# Allegro board FMDEMOD-57.brd (continued)
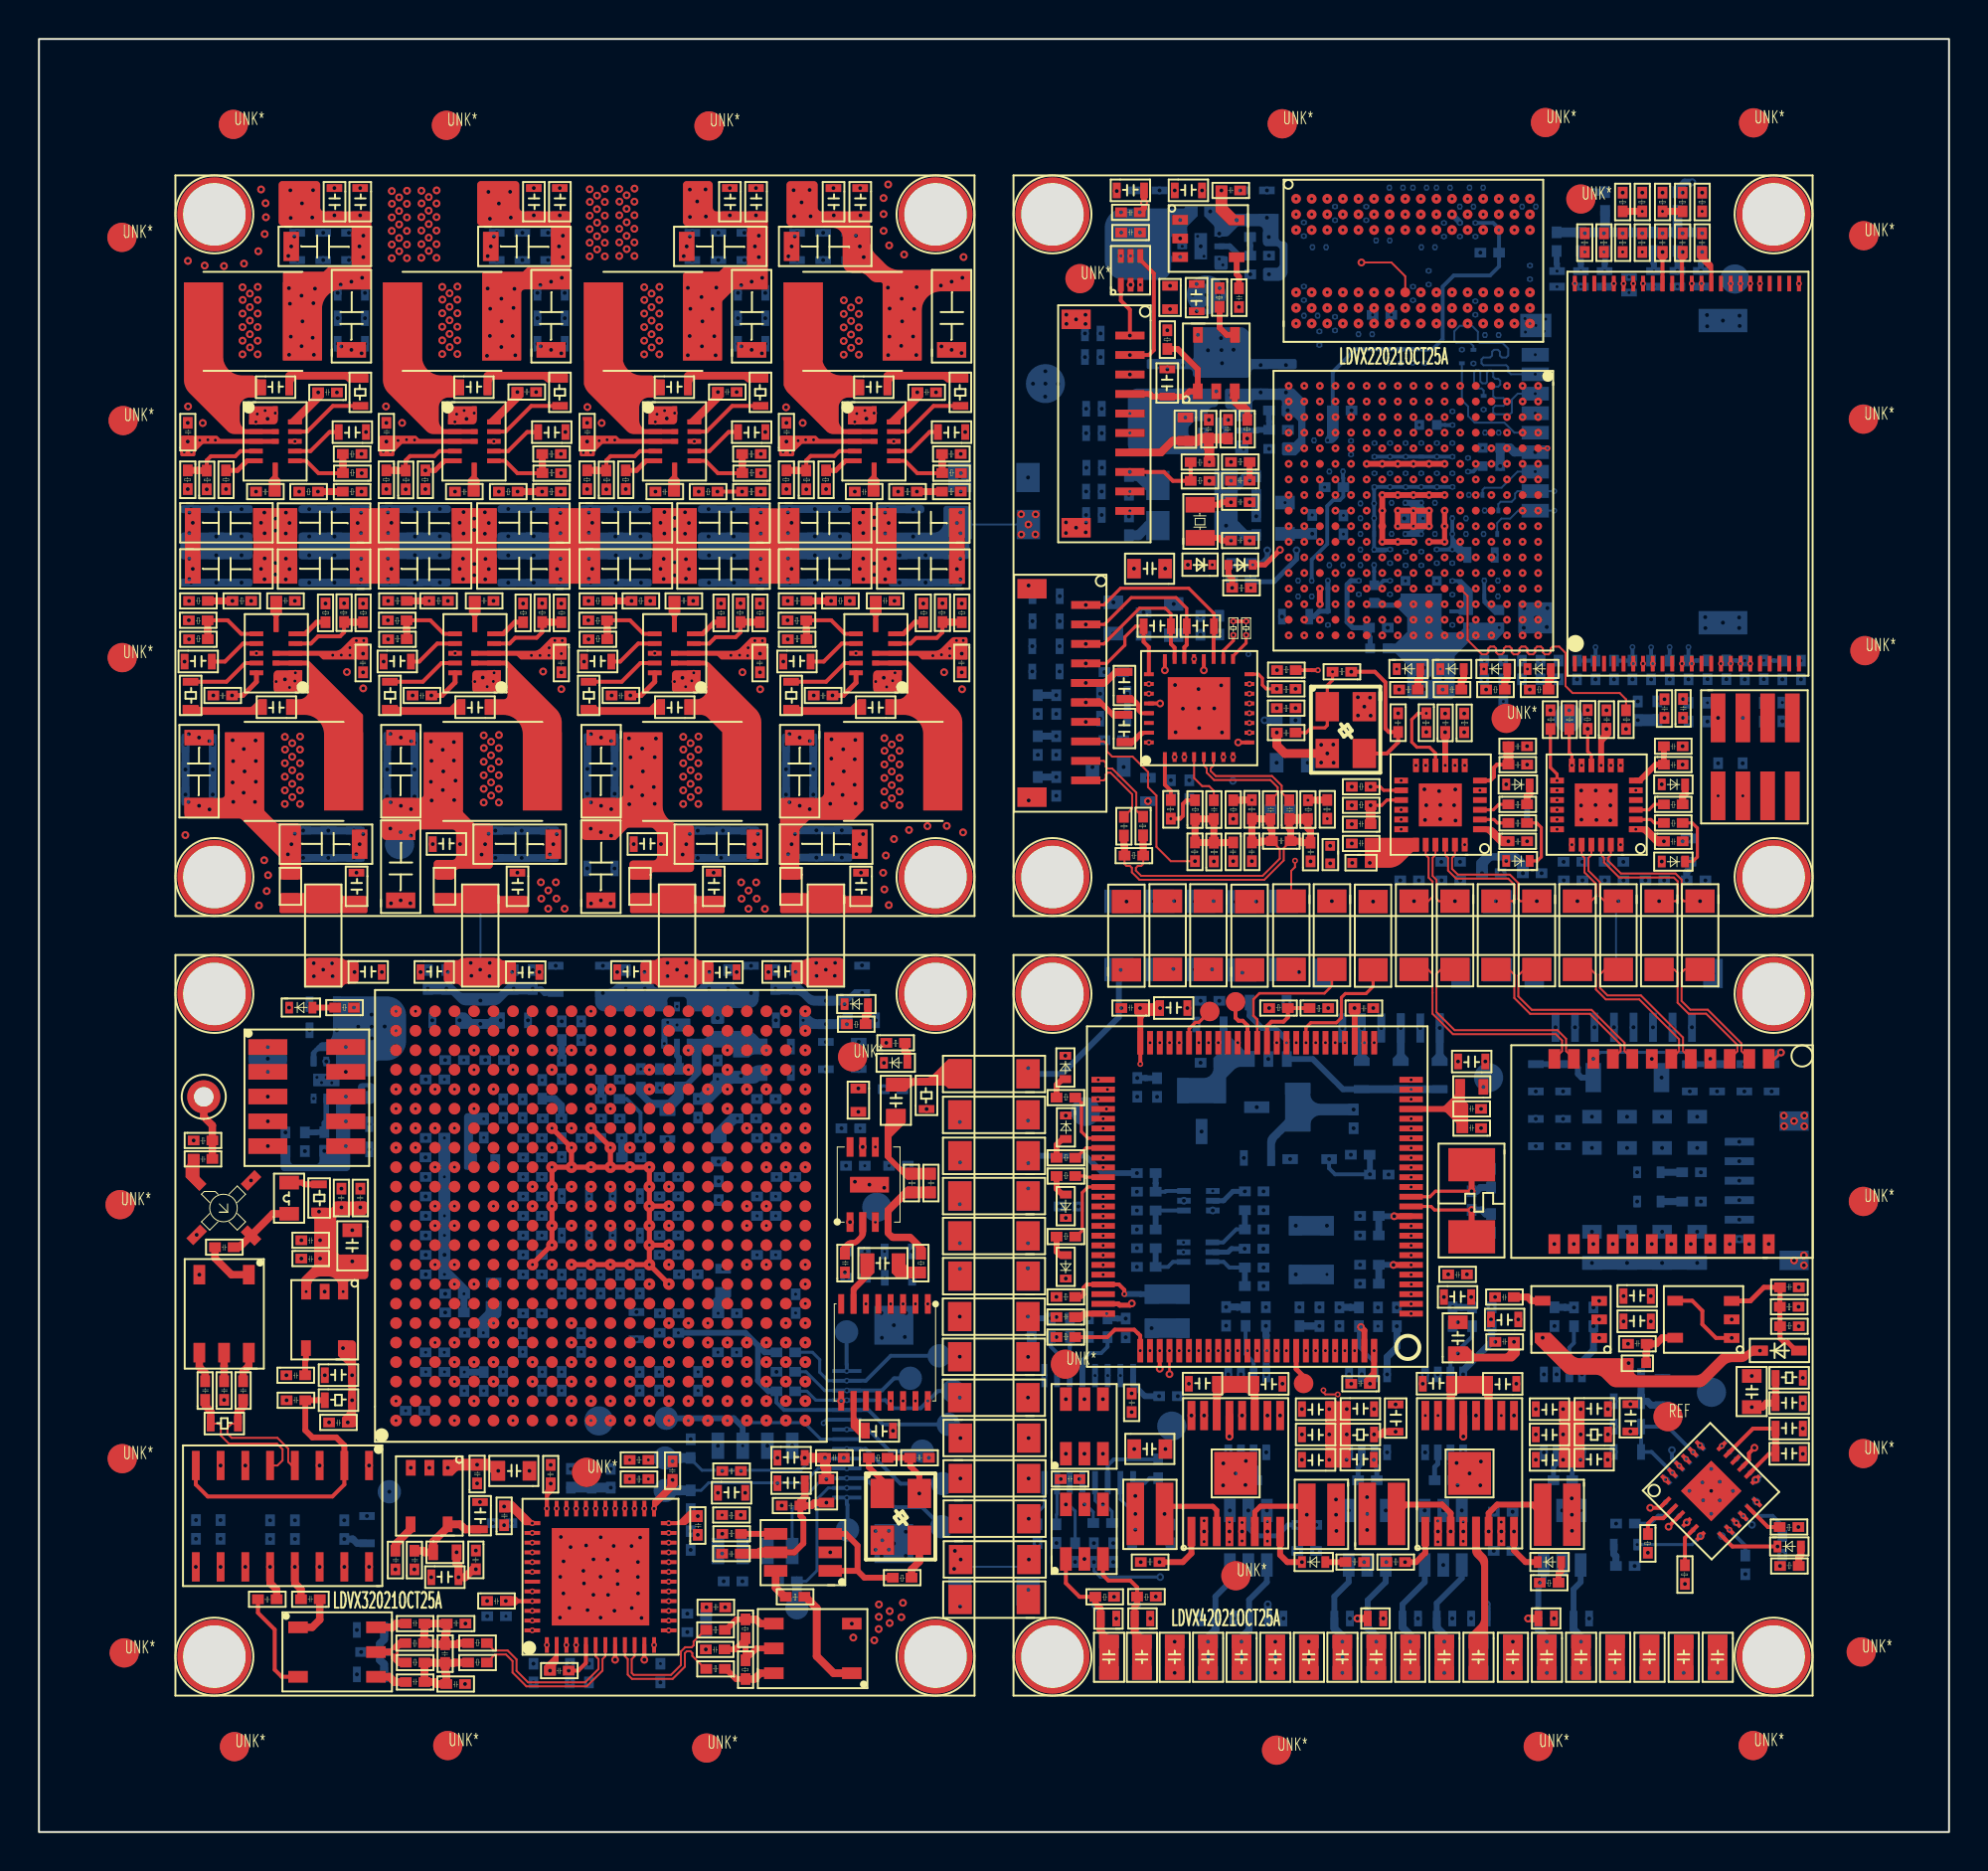
[diagram p0: board, top side]
## Placement (name value [footprint] x y rotation side) (continued)
NOREF#1669  -  []  75.66 24.85 90 top
NOREF#1670  -  []  58.63 69.72 0 top
NOREF#1671  -  []  67.52 70.01 90 top
NOREF#1672  -  []  26.29 41.13 0 top
NOREF#1673  -  []  19.55 8.84 90 top
NOREF#1674  -  []  29.34 37.26 90 top
NOREF#1675  -  []  15.23 79.38 0 top
NOREF#1676  -  []  98.7 36.9 90 top
NOREF#1677  -  []  57.48 75.15 0 top
NOREF#1678  -  []  15.23 78.57 90 top
NOREF#1679  -  []  17.98 60.98 90 top
NOREF#1680  -  []  15.57 64.77 90 top
NOREF#1681  -  []  106.8 77.3 90 top
NOREF#1682  -  []  68.52 63.89 90 top
NOREF#1683  -  []  59.77 83.83 90 top
NOREF#1684  -  []  37.7 8.15 0 top
NOREF#1685  -  []  17.77 54.11 0 top
NOREF#1686  -  []  62.44 49.35 90 top
NOREF#1687  -  []  57.67 17.06 0 top
NOREF#1688  -  []  84.01 9.97 90 top
NOREF#1689  -  []  90.6 19 90 top
NOREF#1690  -  []  51.66 57.33 0 top
NOREF#1691  -  []  72.52 65.5 90 top
NOREF#1692  -  []  39.21 27.77 90 top
NOREF#1693  -  []  31.29 23.15 0 top
NOREF#1694  -  []  39.99 68.44 0 top
NOREF#1695  -  []  63.08 39.66 0 top
NOREF#1696  -  []  90.74 26.56 90 top
NOREF#1697  -  []  29.65 52.8 90 top
NOREF#1698  -  []  86.3 44.7 90 top
NOREF#1699  -  []  24.38 30.44 0 top
NOREF#1700  -  []  70.59 84.57 90 top
NOREF#1701  -  []  70.8 30.22 90 top
NOREF#1702  -  []  64.5 77.4 0 top
NOREF#1703  -  []  67.36 9.66 0 top
NOREF#1704  -  []  82.9 22.61 0 top
NOREF#1705  -  []  79.01 24.85 0 top
NOREF#1706  -  []  13.47 64.77 0 top
NOREF#1707  -  []  20.97 15.79 90 top
NOREF#1708  -  []  59.45 73.92 0 top
NOREF#1709  -  []  83.9 20.4 90 top
NOREF#1710  -  []  13.84 20.98 0 top
NOREF#1711  -  []  25.43 35.56 0 top
NOREF#1712  -  []  42.03 74.54 0 top
NOREF#1713  -  []  67.07 11.26 0 top
NOREF#1714  -  []  73.7 24.05 0 top
NOREF#1715  -  []  15.28 71.42 0 top
NOREF#1716  -  []  57.7 38.23 90 top
NOREF#1717  -  []  25.43 61.62 90 top
NOREF#1718  -  []  51.8 56.91 0 top
NOREF#1719  -  []  17.76 12.38 0 top
NOREF#1720  -  []  27.73 68.44 90 top
NOREF#1721  -  []  20.3 24.08 90 top
NOREF#1722  -  []  27.68 18.81 90 top
NOREF#1723  -  []  24.98 64 0 top
NOREF#1724  -  []  54.5 61.29 90 top
NOREF#1725  -  []  67.3 77.44 90 top
NOREF#1726  -  []  70.31 83.68 0 top
NOREF#1727  -  []  10.43 61.04 90 top
NOREF#1728  -  []  69.73 7.97 90 top
NOREF#1729  -  []  74.78 24.85 0 top
NOREF#1730  -  []  71.13 74.76 90 top
NOREF#1731  -  []  73.44 58.23 90 top
NOREF#1732  -  []  36.29 9.87 90 top
NOREF#1733  -  []  29.5 68.43 90 top
NOREF#1734  -  []  71.49 69.39 0 top
NOREF#1735  -  []  65.91 59.92 0 top
NOREF#1736  -  []  64.44 49.88 90 top
NOREF#1737  -  []  42.87 41.06 90 top
NOREF#1738  -  []  74.18 13.26 0 top
NOREF#1739  -  []  53.87 13.43 0 top
NOREF#1740  -  []  34.21 37.8 90 top
NOREF#1741  -  []  53.55 15.33 90 top
NOREF#1742  -  []  11.24 66.39 90 top
NOREF#1743  -  []  39.29 57.93 0 top
NOREF#1744  -  []  77.52 74.79 90 top
NOREF#1745  -  []  58.89 21.19 90 top
NOREF#1746  -  []  57.44 15.33 90 top
NOREF#1747  -  []  39.76 68.43 90 top
NOREF#1748  -  []  61.36 9.97 90 top
NOREF#1749  -  []  54.28 7.97 90 top
NOREF#1750  -  []  19.56 46.29 0 top
NOREF#1751  -  []  51.67 61.24 90 top
NOREF#1752  -  []  20.47 22.32 90 top
NOREF#1753  -  []  66.14 70.58 90 top
NOREF#1754  -  []  60.7 69.72 0 top
NOREF#1755  -  []  37.36 76.77 0 top
NOREF#1756  -  []  16.31 80.56 90 top
NOREF#1757  -  []  16.24 59.04 0 top
NOREF#1758  -  []  72.75 75.75 0 top
NOREF#1759  -  []  51.66 60.13 0 top
NOREF#1760  -  []  33.05 18.73 90 top
NOREF#1761  -  []  46.41 64.01 0 top
NOREF#1762  -  []  20.88 68.39 0 top
NOREF#1763  -  []  74.93 54.38 0 top
NOREF#1764  -  []  71.48 7.97 90 top
NOREF#1765  -  []  55.98 64.19 0 top
NOREF#1766  -  []  55.99 20.28 0 top
NOREF#1767  -  []  85.7 32.25 0 top
NOREF#1768  -  []  40.65 78.96 90 top
NOREF#1769  -  []  8.2 59.07 90 top
NOREF#1770  -  []  16.21 31.08 0 top
NOREF#1771  -  []  28.99 24.17 90 top
NOREF#1772  -  []  39.35 29.4 90 top
NOREF#1773  -  []  9.11 61.78 90 top
NOREF#1774  -  []  61.69 79.53 90 top
NOREF#1775  -  []  51.75 34.05 0 top
NOREF#1776  -  []  60.18 13.72 90 top
NOREF#1777  -  []  70.55 15.1 90 top
NOREF#1778  -  []  70.27 77.41 0 top
NOREF#1779  -  []  73.39 65.91 90 top
NOREF#1780  -  []  53.63 69.08 0 top
NOREF#1781  -  []  72.29 63.31 0 top
NOREF#1782  -  []  53.54 56.55 90 top
NOREF#1783  -  []  59.65 35.94 0 top
NOREF#1784  -  []  57.95 52.5 90 top
NOREF#1785  -  []  78.52 58.68 90 top
NOREF#1786  -  []  0 0 0 top
NOREF#1787  -  []  73.81 75.75 90 top
NOREF#1788  -  []  57.11 15.46 90 top
NOREF#1789  -  []  75.5 77.01 90 top
NOREF#1790  -  []  39.99 68.44 90 top
NOREF#1791  -  []  85.7 38.71 0 top
NOREF#1792  -  []  84.79 51.39 90 top
NOREF#1793  -  []  55.96 7.97 90 top
NOREF#1794  -  []  69.06 65.49 90 top
NOREF#1795  -  []  63.9 24.21 0 top
NOREF#1796  -  []  63.28 28.76 90 top
NOREF#1797  -  []  67.82 34.12 90 top
NOREF#1798  -  []  89 23.71 0 top
NOREF#1799  -  []  64.06 7.97 90 top
NOREF#1800  -  []  33.39 53.08 0 top
NOREF#1801  -  []  38.97 77.27 90 top
NOREF#1802  -  []  27.73 72.76 0 top
NOREF#1803  -  []  64.5 77.4 90 top
NOREF#1804  -  []  21.22 16.24 0 top
NOREF#1805  -  []  18.89 67.97 0 top
NOREF#1806  -  []  44.23 31.72 0 top
NOREF#1807  -  []  21.73 16.2 0 top
NOREF#1808  -  []  73.58 48.8 90 top
NOREF#1809  -  []  71.75 81.08 0 top
NOREF#1810  -  []  35.75 76.2 90 top
NOREF#1811  -  []  89 19.81 0 top
NOREF#1812  -  []  31.21 29.06 0 top
NOREF#1813  -  []  13.39 14.95 0 top
NOREF#1814  -  []  70.8 28.72 90 top
NOREF#1815  -  []  46.02 76.2 90 top
NOREF#1816  -  []  66.87 22.61 90 top
NOREF#1817  -  []  21.84 7.53 90 top
NOREF#1818  -  []  42.54 82.85 90 top
NOREF#1819  -  []  37.82 70.24 0 top
NOREF#1820  -  []  23.14 68.39 0 top
NOREF#1821  -  []  8.69 67.97 0 top
NOREF#1822  -  []  80.2 27.95 0 top
NOREF#1823  -  []  15.26 13.94 90 top
NOREF#1824  -  []  86.58 13.23 90 top
NOREF#1825  -  []  44.72 27.61 0 top
NOREF#1826  -  []  78.92 80.61 90 top
NOREF#1827  -  []  79.11 26.46 90 top
NOREF#1828  -  []  6.48 68.57 90 top
NOREF#1829  -  []  80.74 80.66 90 top
NOREF#1830  -  []  73.55 70.62 90 top
NOREF#1831  -  []  22.23 17.84 0 top
NOREF#1832  -  []  55.87 29.75 0 top
NOREF#1833  -  []  35.97 53.08 0 top
NOREF#1834  -  []  63.5 31.6 90 top
NOREF#1835  -  []  60.7 67.84 90 top
NOREF#1836  -  []  26.79 41.25 90 top
NOREF#1837  -  []  61.6 71.04 90 top
NOREF#1838  -  []  64.73 41.89 0 top
NOREF#1839  -  []  23.05 43.66 0 top
NOREF#1840  -  []  19.56 62.78 90 top
NOREF#1841  -  []  84.74 56.71 90 top
NOREF#1842  -  []  41.6 11.32 0 top
NOREF#1843  -  []  50.86 52.71 0 top
NOREF#1844  -  []  35.97 51.48 90 top
NOREF#1845  -  []  68.62 67.18 0 top
NOREF#1846  -  []  15.57 33.33 90 top
NOREF#1847  -  []  17.78 62.59 90 top
NOREF#1848  -  []  55.66 76.87 0 top
NOREF#1849  -  []  74.19 16.82 90 top
NOREF#1850  -  []  24.38 33.44 0 top
NOREF#1851  -  []  17.45 62.78 90 top
NOREF#1852  -  []  34.86 31.22 90 top
NOREF#1853  -  []  34.77 64.77 90 top
NOREF#1854  -  []  72.5 22.6 90 top
NOREF#1855  -  []  30.25 26.78 90 top
NOREF#1856  -  []  25.48 75.96 90 top
NOREF#1857  -  []  76.77 67.8 90 top
NOREF#1858  -  []  105.9 39.9 90 top
NOREF#1859  -  []  66.85 33.58 0 top
NOREF#1860  -  []  70.12 65.5 90 top
NOREF#1861  -  []  74.38 11.26 0 top
NOREF#1862  -  []  70.69 69.39 0 top
NOREF#1863  -  []  84.5 21.8 90 top
NOREF#1864  -  []  14.23 62.64 90 top
NOREF#1865  -  []  76.81 55.32 90 top
NOREF#1866  -  []  55.15 77.6 90 top
NOREF#1867  -  []  67.3 71.18 90 top
NOREF#1868  -  []  23.64 36.18 90 top
NOREF#1869  -  []  82.3 23.81 0 top
NOREF#1870  -  []  38.09 60.47 0 top
NOREF#1871  -  []  33.4 73.73 90 top
NOREF#1872  -  []  62.13 61.81 0 top
NOREF#1873  -  []  87.3 37.9 90 top
NOREF#1874  -  []  34.46 78.96 0 top
NOREF#1875  -  []  57.5 75.63 90 top
NOREF#1876  -  []  54.21 59.12 90 top
NOREF#1877  -  []  70.02 20.44 90 top
NOREF#1878  -  []  66.19 26.46 0 top
NOREF#1879  -  []  46.95 63.5 0 top
NOREF#1880  -  []  60.2 52.49 90 top
NOREF#1881  -  []  14.88 29.03 90 top
NOREF#1882  -  []  34.3 43.71 90 top
NOREF#1883  -  []  58.14 51.52 90 top
NOREF#1884  -  []  84.97 79.2 0 top
NOREF#1885  -  []  74.74 58.47 0 top
NOREF#1886  -  []  35.77 71.42 0 top
NOREF#1887  -  []  74.93 55.32 0 top
NOREF#1888  -  []  38.76 49.88 0 top
NOREF#1889  -  []  17.49 49.32 90 top
NOREF#1890  -  []  30.95 26.54 90 top
NOREF#1891  -  []  25.72 42.81 90 top
NOREF#1892  -  []  78.12 58.02 0 top
NOREF#1893  -  []  74.17 35.93 0 top
NOREF#1894  -  []  41.4 68.39 0 top
NOREF#1895  -  []  19.38 37.45 0 top
NOREF#1896  -  []  40.99 41.06 0 top
NOREF#1897  -  []  12.18 42.07 90 top
NOREF#1898  -  []  13 29.97 0 top
NOREF#1899  -  []  36.63 54.12 0 top
NOREF#1900  -  []  70.35 71.45 0 top
NOREF#1901  -  []  57.22 7.97 90 top
NOREF#1902  -  []  13.97 34.14 0 top
NOREF#1903  -  []  34.43 38.74 0 top
NOREF#1904  -  []  52.58 15.33 90 top
NOREF#1905  -  []  27.73 35.49 90 top
NOREF#1906  -  []  14.44 51.48 90 top
NOREF#1907  -  []  69.73 7.97 90 top
NOREF#1908  -  []  16.24 59.04 90 top
NOREF#1909  -  []  34.22 50.92 0 top
NOREF#1910  -  []  37.5 70.32 90 top
NOREF#1911  -  []  8.97 21.07 0 top
NOREF#1912  -  []  73.77 58.68 90 top
NOREF#1913  -  []  74.48 7.97 90 top
NOREF#1914  -  []  23.23 63.99 0 top
NOREF#1915  -  []  50.86 54.81 0 top
NOREF#1916  -  []  40.33 -2.89 90 top
NOREF#1917  -  []  69.89 63.81 0 top
NOREF#1918  -  []  38.76 65.62 0 top
NOREF#1919  -  []  18.88 64.01 90 top
NOREF#1920  -  []  85.22 58.69 0 top
NOREF#1921  -  []  68.07 26.46 90 top
NOREF#1922  -  []  51.19 24.3 0 top
NOREF#1923  -  []  78 7.97 90 top
NOREF#1924  -  []  69.92 24.85 0 top
NOREF#1925  -  []  34.59 13.89 0 top
NOREF#1926  -  []  37.96 61.59 0 top
NOREF#1927  -  []  55.22 24.23 90 top
NOREF#1928  -  []  34.47 34.2 0 top
NOREF#1929  -  []  89.9 14.6 90 top
NOREF#1930  -  []  82.64 56.59 90 top
NOREF#1931  -  []  72.17 24.36 90 top
NOREF#1932  -  []  72.75 63.31 90 top
NOREF#1933  -  []  37.96 68.44 0 top
NOREF#1934  -  []  7.39 64.01 90 top
NOREF#1935  -  []  45.87 68.39 0 top
NOREF#1936  -  []  17.77 55.48 0 top
NOREF#1937  -  []  69.85 24.85 90 top
NOREF#1938  -  []  69.67 9.66 90 top
NOREF#1939  -  []  17.44 61.78 0 top
NOREF#1940  -  []  35.75 44.41 90 top
NOREF#1941  -  []  73.22 84.6 90 top
NOREF#1942  -  []  28.33 31.02 0 top
NOREF#1943  -  []  21.27 27.44 90 top
NOREF#1944  -  []  30.41 51.1 0 top
NOREF#1945  -  []  89 22.41 0 top
NOREF#1946  -  []  19.41 9.97 90 top
NOREF#1947  -  []  40.22 66.38 90 top
NOREF#1948  -  []  46.95 59.04 0 top
NOREF#1949  -  []  81.75 49.39 90 top
NOREF#1950  -  []  82.91 80.61 0 top
NOREF#1951  -  []  65.39 48.71 0 top
NOREF#1952  -  []  31.74 66.39 90 top
NOREF#1953  -  []  59.55 12.68 90 top
NOREF#1954  -  []  54.63 71.47 90 top
NOREF#1955  -  []  60.62 71.04 0 top
NOREF#1956  -  []  54.77 10.25 90 top
NOREF#1957  -  []  76.25 7.97 90 top
NOREF#1958  -  []  77.91 58.23 90 top
NOREF#1959  -  []  37.36 78.08 0 top
NOREF#1960  -  []  39.73 11.68 90 top
NOREF#1961  -  []  89.9 14.6 90 top
NOREF#1962  -  []  39.53 16.36 90 top
NOREF#1963  -  []  61.02 41.48 90 top
NOREF#1964  -  []  56 24.3 90 top
NOREF#1965  -  []  56.5 54.29 0 top
NOREF#1966  -  []  16.41 36.06 0 top
NOREF#1967  -  []  64.94 66.16 0 top
NOREF#1968  -  []  57.75 31.68 90 top
NOREF#1969  -  []  44.3 28.56 90 top
NOREF#1970  -  []  42.13 57.31 90 top
NOREF#1971  -  []  33.05 12.42 0 top
NOREF#1972  -  []  58.84 61.21 90 top
NOREF#1973  -  []  67.33 49.99 0 top
NOREF#1974  -  []  68.5 77.4 0 top
NOREF#1975  -  []  8.04 65.62 0 top
NOREF#1976  -  []  32.98 29.23 0 top
NOREF#1977  -  []  79.9 19.5 90 top
NOREF#1978  -  []  84.24 58.4 0 top
NOREF#1979  -  []  86.38 15.15 0 top
NOREF#1980  -  []  19.56 63.56 0 top
NOREF#1981  -  []  90.1 24.75 90 top
NOREF#1982  -  []  73.79 58.23 0 top
NOREF#1983  -  []  41.98 78.96 90 top
NOREF#1984  -  []  68.9 83.09 90 top
NOREF#1985  -  []  76.65 58.68 90 top
NOREF#1986  -  []  42.13 57.31 0 top
NOREF#1987  -  []  58.4 80.21 0 top
NOREF#1988  -  []  64.88 38.71 0 top
NOREF#1989  -  []  73.95 58.85 0 top
NOREF#1990  -  []  14.28 64.77 0 top
NOREF#1991  -  []  72.81 81.08 90 top
NOREF#1992  -  []  59.13 15.42 0 top
NOREF#1993  -  []  68.82 17.66 0 top
NOREF#1994  -  []  59.89 47.74 0 top
NOREF#1995  -  []  64.11 16.93 0 top
NOREF#1996  -  []  67.52 35.67 90 top
NOREF#1997  -  []  42.3 29.81 0 top
NOREF#1998  -  []  83.1 39.5 90 top
NOREF#1999  -  []  7.39 64.01 0 top
NOREF#2000  -  []  73.58 27.05 90 top
NOREF#2001  -  []  72.61 9.66 0 top
NOREF#2002  -  []  24.4 81.37 0 top
NOREF#2003  -  []  82.01 11.22 0 top
NOREF#2004  -  []  19.37 52.72 90 top
NOREF#2005  -  []  73.22 9.66 90 top
NOREF#2006  -  []  15.9 62.59 0 top
NOREF#2007  -  []  25.43 61.62 0 top
NOREF#2008  -  []  18.64 35.92 90 top
NOREF#2009  -  []  55.22 26.29 90 top
NOREF#2010  -  []  22.43 20.58 90 top
NOREF#2011  -  []  20.41 33.98 90 top
NOREF#2012  -  []  84.94 82.69 0 top
NOREF#2013  -  []  31.39 27.01 90 top
NOREF#2014  -  []  35.79 78.96 0 top
NOREF#2015  -  []  78.91 56.14 90 top
NOREF#2016  -  []  27.73 32.22 0 top
NOREF#2017  -  []  17.78 33.22 90 top
NOREF#2018  -  []  6 6 0 top
NOREF#2019  -  []  55.38 9.66 0 top
NOREF#2020  -  []  41.51 66.38 90 top
NOREF#2021  -  []  38.38 10.45 90 top
NOREF#2022  -  []  37.96 68.44 90 top
NOREF#2023  -  []  64.75 78.6 0 top
NOREF#2024  -  []  17.45 61.59 0 top
NOREF#2025  -  []  7.53 15.55 0 top
NOREF#2026  -  []  31.74 64.02 90 top
NOREF#2027  -  []  60.76 65.5 0 top
NOREF#2028  -  []  68.09 64.77 90 top
NOREF#2029  -  []  39.84 52.8 90 top
NOREF#2030  -  []  84.94 82.69 90 top
NOREF#2031  -  []  40.18 63.56 0 top
NOREF#2032  -  []  29.93 30.21 90 top
NOREF#2033  -  []  72.73 57.85 0 top
NOREF#2034  -  []  70.8 31.22 90 top
NOREF#2035  -  []  67.84 83.09 0 top
NOREF#2036  -  []  42.97 20.3 0 top
NOREF#2037  -  []  57.75 28.79 90 top
NOREF#2038  -  []  71.8 65.91 90 top
NOREF#2039  -  []  56.01 24.28 0 top
NOREF#2040  -  []  16.56 53.08 0 top
NOREF#2041  -  []  77.3 80.06 90 top
NOREF#2042  -  []  8.02 70.88 90 top
NOREF#2043  -  []  32.98 33.22 0 top
NOREF#2044  -  []  42.7 27.61 90 top
NOREF#2045  -  []  56.47 14.36 90 top
NOREF#2046  -  []  11.34 74.54 0 top
NOREF#2047  -  []  64.19 34.53 0 top
NOREF#2048  -  []  53.85 54.02 90 top
NOREF#2049  -  []  75 7.97 90 top
NOREF#2050  -  []  47.72 18.03 90 top
NOREF#2051  -  []  82.91 52.34 0 top
NOREF#2052  -  []  27.36 19.15 90 top
NOREF#2053  -  []  58.86 12.26 0 top
NOREF#2054  -  []  44.89 40.1 90 top
NOREF#2055  -  []  82.2 20.8 90 top
NOREF#2056  -  []  7.42 55.39 0 top
NOREF#2057  -  []  58.9 7.97 90 top
NOREF#2058  -  []  8.97 59.66 90 top
NOREF#2059  -  []  77.48 80.66 0 top
NOREF#2060  -  []  46.02 76.2 90 top
NOREF#2061  -  []  66.3 22.91 0 top
NOREF#2062  -  []  33.29 23.15 0 top
NOREF#2063  -  []  65.06 25.5 90 top
NOREF#2064  -  []  71.59 65.11 90 top
NOREF#2065  -  []  16.05 64.01 0 top
NOREF#2066  -  []  69.34 55.98 0 top
NOREF#2067  -  []  14.7 51.48 90 top
NOREF#2068  -  []  57.39 59.87 90 top
NOREF#2069  -  []  80.23 9.66 90 top
NOREF#2070  -  []  14.75 64.01 90 top
NOREF#2071  -  []  67.9 20.8 90 top
NOREF#2072  -  []  67.78 62.18 0 top
NOREF#2073  -  []  63.06 60.01 0 top
NOREF#2074  -  []  56.31 68.15 90 top
NOREF#2075  -  []  75.5 72 90 top
NOREF#2076  -  []  15.23 75.96 90 top
NOREF#2077  -  []  9.02 55.39 90 top
NOREF#2078  -  []  66.3 21.61 0 top
NOREF#2079  -  []  77.59 79.19 90 top
NOREF#2080  -  []  33.93 80.56 90 top
NOREF#2081  -  []  39.86 35.22 90 top
NOREF#2082  -  []  14.76 64.77 0 top
NOREF#2083  -  []  41.96 64.02 90 top
NOREF#2084  -  []  22.77 68.39 90 top
NOREF#2085  -  []  71.8 24.85 90 top
NOREF#2086  -  []  23.09 81.37 0 top
NOREF#2087  -  []  57.63 77.94 0 top
NOREF#2088  -  []  58.72 29.25 90 top
NOREF#2089  -  []  52.58 52.71 90 top
NOREF#2090  -  []  16.41 36.06 90 top
NOREF#2091  -  []  19.37 54.11 90 top
NOREF#2092  -  []  53.57 75.38 90 top
NOREF#2093  -  []  59.22 71.18 90 top
NOREF#2094  -  []  84.7 13.23 0 top
NOREF#2095  -  []  68.62 67.94 0 top
NOREF#2096  -  []  73.97 33.57 0 top
NOREF#2097  -  []  51.75 34.2 90 top
NOREF#2098  -  []  74.63 17.66 90 top
NOREF#2099  -  []  28.17 41.13 90 top
NOREF#2100  -  []  72.75 62.75 90 top
NOREF#2101  -  []  29.58 36.96 0 top
NOREF#2102  -  []  27.32 80.56 90 top
NOREF#2103  -  []  79.47 60.56 0 top
NOREF#2104  -  []  61.6 71.04 0 top
NOREF#2105  -  []  46.02 71.42 90 top
NOREF#2106  -  []  34.6 14.91 90 top
NOREF#2107  -  []  21.73 15.42 90 top
NOREF#2108  -  []  51.75 30.94 0 top
NOREF#2109  -  []  26.26 34.44 90 top
NOREF#2110  -  []  8.21 66.37 90 top
NOREF#2111  -  []  46.95 66.36 90 top
NOREF#2112  -  []  52.16 24.3 0 top
NOREF#2113  -  []  80.05 25.35 90 top
NOREF#2114  -  []  11.24 64.02 90 top
NOREF#2115  -  []  51.75 34.98 0 top
NOREF#2116  -  []  71.12 68.41 0 top
NOREF#2117  -  []  58.63 32.29 0 top
NOREF#2118  -  []  13.25 32.88 0 top
NOREF#2119  -  []  55.2 84.64 0 top
NOREF#2120  -  []  62.27 76.97 0 top
NOREF#2121  -  []  37.25 9.2 90 top
NOREF#2122  -  []  81.95 58.85 0 top
NOREF#2123  -  []  64.32 72.55 90 top
NOREF#2124  -  []  31.17 43.72 90 top
NOREF#2125  -  []  63.68 61.96 90 top
NOREF#2126  -  []  33.05 68.39 90 top
NOREF#2127  -  []  22.43 35.17 90 top
NOREF#2128  -  []  20.35 22.26 0 top
NOREF#2129  -  []  75.06 67.12 90 top
NOREF#2130  -  []  60.7 70.69 0 top
NOREF#2131  -  []  41.73 82.85 0 top
NOREF#2132  -  []  18.88 64.01 0 top
NOREF#2133  -  []  57.75 29.75 90 top
NOREF#2134  -  []  88.9 13.73 90 top
NOREF#2135  -  []  71.21 58.23 90 top
NOREF#2136  -  []  61.96 77.79 90 top
NOREF#2137  -  []  88.11 56.52 90 top
NOREF#2138  -  []  55.97 7.97 90 top
NOREF#2139  -  []  79.49 11.22 0 top
NOREF#2140  -  []  25.17 23.15 90 top
NOREF#2141  -  []  81.87 82.69 0 top
NOREF#2142  -  []  24.98 9.1 0 top
NOREF#2143  -  []  40.78 49.9 0 top
NOREF#2144  -  []  88.11 58.4 0 top
NOREF#2145  -  []  87.02 53.42 90 top
NOREF#2146  -  []  43.75 66.36 0 top
NOREF#2147  -  []  23.86 39.22 90 top
NOREF#2148  -  []  47.11 31.72 90 top
NOREF#2149  -  []  39.39 18.8 90 top
NOREF#2150  -  []  75.67 48.8 0 top
NOREF#2151  -  []  69.38 48.44 0 top
NOREF#2152  -  []  45.23 31.72 0 top
NOREF#2153  -  []  71.28 67.97 90 top
NOREF#2154  -  []  21.63 13.95 90 top
NOREF#2155  -  []  83.9 32.25 0 top
NOREF#2156  -  []  34.68 51.48 90 top
NOREF#2157  -  []  31.82 57.31 0 top
NOREF#2158  -  []  65.5 51.52 90 top
NOREF#2159  -  []  62.64 17.66 0 top
NOREF#2160  -  []  80.87 80.61 90 top
NOREF#2161  -  []  55.23 15.46 0 top
NOREF#2162  -  []  18.34 9.31 0 top
NOREF#2163  -  []  27.24 70.32 90 top
NOREF#2164  -  []  56.02 38.18 0 top
NOREF#2165  -  []  64.04 24.87 90 top
NOREF#2166  -  []  61.05 72.55 90 top
NOREF#2167  -  []  23.73 25.19 90 top
NOREF#2168  -  []  32.78 25.01 0 top
NOREF#2169  -  []  69.33 58.23 0 top
NOREF#2170  -  []  24.55 13.98 90 top
NOREF#2171  -  []  90.47 26.78 0 top
NOREF#2172  -  []  61.33 82.73 0 top
NOREF#2173  -  []  26.77 50.67 90 top
NOREF#2174  -  []  72.15 12.68 90 top
NOREF#2175  -  []  38.68 40.71 0 top
NOREF#2176  -  []  71.28 75.77 90 top
NOREF#2177  -  []  9.98 64.01 90 top
NOREF#2178  -  []  33.99 46.29 0 top
NOREF#2179  -  []  25.8 82.85 0 top
NOREF#2180  -  []  82.1 38.15 0 top
NOREF#2181  -  []  71.46 65.5 0 top
NOREF#2182  -  []  25.71 51.48 90 top
NOREF#2183  -  []  39.31 9.6 90 top
NOREF#2184  -  []  57.21 7.97 90 top
NOREF#2185  -  []  28.05 52.8 90 top
NOREF#2186  -  []  69.06 65.5 0 top
NOREF#2187  -  []  75.7 58.68 90 top
NOREF#2188  -  []  77.5 23.4 90 top
NOREF#2189  -  []  81.87 80.61 0 top
NOREF#2190  -  []  88.65 25.16 0 top
NOREF#2191  -  []  73.7 82.25 90 top
NOREF#2192  -  []  61.8 64.2 90 top
NOREF#2193  -  []  68 76.23 90 top
NOREF#2194  -  []  46.5 28.04 90 top
NOREF#2195  -  []  36.7 63.99 90 top
NOREF#2196  -  []  27.09 66.37 90 top
NOREF#2197  -  []  68.19 64.2 90 top
NOREF#2198  -  []  60.7 68.62 0 top
NOREF#2199  -  []  63.3 54.23 90 top
NOREF#2200  -  []  24.99 82.85 0 top
NOREF#2201  -  []  77.78 48.44 90 top
NOREF#2202  -  []  19.27 42.05 90 top
NOREF#2203  -  []  61.03 64.6 90 top
NOREF#2204  -  []  57.01 21.19 0 top
NOREF#2205  -  []  22.78 30.22 90 top
NOREF#2206  -  []  61.4 28.76 0 top
NOREF#2207  -  []  46.02 71.42 0 top
NOREF#2208  -  []  22.43 20.58 0 top
NOREF#2209  -  []  80.6 21.3 90 top
R1  47K  [R0402]  81.01 84.12 270 top
R2  DNP  [R0402]  82.01 84.12 270 top
R3  47K  [R0402]  83.05 84.12 270 top
R4  DNP  [R0402]  84.08 84.12 270 top
R5  47K  [R0402]  85.08 84.12 270 top
R6  47K  [R0402]  79.06 82.04 270 top
R7  47K  [R0402]  80.04 82.04 270 top
R8  47K  [R0402]  81.01 82.04 270 top
R9  47K  [R0402]  82.01 82.04 270 top
R10  10K  [R0402]  60.33 79.23 270 top
R11  DNP  [R0402]  57.64 77.06 270 top
R12  0  [R0603]  16.89 73.07 90 top
R13  0  [R0603]  27.13 73.07 90 top
R14  0  [R0603]  37.42 73.07 90 top
R15  0  [R0603]  47.68 73.07 90 top
R16  6.8K  [R0402]  61.74 72.47 270 top
R17  294K  [R0402]  15.58 70.46 0 top
R18  182K  [R0402]  25.81 70.46 0 top
R19  51.1K  [R0402]  36.07 70.46 0 top
R20  51.1K  [R0402]  46.32 70.46 0 top
R21  10K  [R0402]  62.13 70.55 180 top
R22  10K  [R0402]  59.08 70.04 0 top
R23  40.2K  [R0402]  16.57 69.97 180 top
R24  40.2K  [R0402]  26.8 69.97 180 top
R25  40.2K  [R0402]  37.06 69.97 180 top
R26  40.2K  [R0402]  47.31 69.97 180 top
R27  DNP  [R0402]  7.38 69.87 270 top
R28  787K  [R0402]  8.86 68.88 90 top
R29  100K  [R0402]  9.35 69.87 270 top
R30  DNP  [R0402]  17.57 69.87 270 top
R31  499K  [R0402]  19.07 68.88 90 top
R32  100K  [R0402]  19.58 69.87 270 top
R33  DNP  [R0402]  27.88 69.87 270 top
R34  180K  [R0402]  29.36 68.88 90 top
R35  100K  [R0402]  29.86 69.87 270 top
R36  DNP  [R0402]  38.1 69.87 270 top
R37  180K  [R0402]  39.62 68.88 90 top
R38  100K  [R0402]  40.13 69.87 270 top
R39  100K  [R0402]  60.06 69.58 180 top
R40  DNP  [R0402]  13.34 68.53 0 top
R41  100K  [R0402]  15.58 68.53 0 top
R42  DNP  [R0402]  23.59 68.53 0 top
R43  100K  [R0402]  25.8 68.53 0 top
R44  DNP  [R0402]  33.84 68.53 0 top
R45  DNP  [R0402]  36.07 68.53 0 top
R46  DNP  [R0402]  44.07 68.53 0 top
R47  DNP  [R0402]  46.32 68.53 0 top
R48  1.5K  [R0402]  61.21 63.59 0 top
R49  100K  [R0402]  8.67 63.42 180 top
R50  DNP  [R0402]  10.9 63.42 180 top
R51  100K  [R0402]  18.88 63.42 180 top
R52  DNP  [R0402]  20.99 63.42 180 top
R53  100K  [R0402]  29.17 63.42 180 top
R54  DNP  [R0402]  31.37 63.42 180 top
R55  100K  [R0402]  39.39 63.42 180 top
R56  DNP  [R0402]  41.61 63.42 180 top
R57  100K  [R0402]  14.95 62.06 90 top
R58  787K  [R0402]  15.4 63.05 270 top
R59  DNP  [R0402]  16.88 62.06 90 top
R60  100K  [R0402]  25.09 62.06 90 top
R61  499K  [R0402]  25.57 63.05 270 top
R62  DNP  [R0402]  27.05 62.06 90 top
R63  100K  [R0402]  35.25 62.06 90 top
R64  180K  [R0402]  35.74 63.05 270 top
R65  DNP  [R0402]  37.24 62.06 90 top
R66  100K  [R0402]  45.62 62.06 90 top
R67  180K  [R0402]  46.1 63.05 270 top
R68  DNP  [R0402]  47.59 62.06 90 top
R69  40.2K  [R0402]  7.68 61.92 0 top
R70  40.2K  [R0402]  17.89 61.92 0 top
R71  40.2K  [R0402]  28.18 61.92 0 top
R72  40.2K  [R0402]  38.4 61.92 0 top
R73  4.7K  [R0201]  61.13 62.07 270 top
R74  4.7K  [R0201]  61.78 62.07 270 top
R75  294K  [R0402]  8.67 61.45 180 top
R76  182K  [R0402]  18.88 61.45 180 top
R77  127K  [R0402]  29.17 61.45 180 top
R78  40.2K  [R0402]  39.39 61.45 180 top
R79  10K  [R0402]  64.49 59.87 180 top
R80  1M  [R0402]  67.34 59.78 180 top
R81  10K  [R0402]  63.5 58.41 0 top
R82  1K  [R0402]  69.78 58.37 0 top
R83  1K  [R0402]  72.01 58.37 0 top
R84  1K  [R0402]  74.24 58.37 0 top
R85  1K  [R0402]  76.48 58.37 0 top
R86  0  [R0603]  7.38 59.12 270 top
R87  0  [R0603]  17.6 59.12 270 top
R88  0  [R0603]  27.8 59.12 270 top
R89  0  [R0603]  38.19 59.12 270 top
R90  100K  [R0402]  63.5 57.42 0 top
R91  1K  [R0402]  77.8 56.59 90 top
R92  1K  [R0402]  78.77 56.59 90 top
R93  DNP  [R0402]  79.21 57.58 270 top
R94  33  [R0402]  81.68 56.59 90 top
R95  10K  [R0402]  70.93 57.41 270 top
R96  33  [R0402]  73.37 56.42 90 top
R97  1K  [R0402]  68.33 53.88 180 top
R98  1K  [R0402]  75.38 52.48 0 top
R99  1K  [R0402]  83.36 52.48 0 top
R100  1K  [R0402]  68.33 52.93 180 top
R101  DNP  [R0402]  57.82 52.96 270 top
R102  2.2K  [R0402]  59.56 51.97 90 top
R103  1.5K  [R0402]  61.52 51.97 90 top
R104  1.5K  [R0402]  61.98 52.96 270 top
R105  1.5K  [R0402]  65.36 51.97 90 top
R106  1K  [R0402]  65.85 52.96 270 top
R107  1K  [R0402]  75.38 51.53 0 top
R108  1K  [R0402]  83.36 51.53 0 top
R109  15k  [R0402]  55.91 51.12 90 top
R110  15k  [R0402]  56.4 52.11 270 top
R111  100  [R0402]  59.06 50.78 270 top
R112  DNP  [R0402]  60.53 49.79 90 top
R113  1.5K  [R0402]  56.67 50.35 180 top
R114  DNP  [R1206]  56.6 44.39 90 top
R115  0  [R1206]  57.1 47.61 270 top
R116  0  [R1206]  59.19 47.61 270 top
R117  0  [R1206]  62.92 44.39 90 top
R118  DNP  [R1206]  63.45 47.61 270 top
R119  0  [R1206]  65.53 47.61 270 top
R120  DNP  [R1206]  69.25 44.39 90 top
R121  33  [R1206]  69.75 47.61 270 top
R122  33  [R1206]  71.85 47.61 270 top
R123  33  [R1206]  73.95 47.61 270 top
R124  33  [R1206]  76.05 47.61 270 top
R125  33  [R1206]  78.13 47.61 270 top
R126  33  [R1206]  80.23 47.61 270 top
R127  33  [R1206]  82.33 47.61 270 top
R128  33  [R1206]  84.43 47.61 270 top
R129  0  [R1206]  13.78 47.6 270 top
R130  0  [R1206]  21.84 47.6 270 top
R131  0  [R1206]  31.93 47.6 270 top
R132  0  [R1206]  39.57 47.6 270 top
R133  1K  [R0402]  16.17 42.55 180 top
R134  0  [R0402]  64.09 42.53 180 top
R135  DNP  [R0402]  65.18 42.03 0 top
R136  1K  [R0402]  41.44 41.2 0 top
R137  1K  [R0402]  43.46 40.24 0 top
R138  DNP  [R1206]  50.6 39.7 180 top
R139  10K  [R0603]  45.94 37 90 top
R140  1K  [R0402]  53.18 37.93 180 top
R141  0  [R1206]  50.6 37.6 180 top
R142  49.9  [R0402]  7.92 35.23 0 top
R143  0  [R1206]  50.6 35.5 180 top
R144  1K  [R0402]  53.18 34.84 180 top
R145  1K  [R0402]  53.18 33.91 180 top
R146  10K  [R0402]  45.01 32.81 90 top
R147  0  [R1206]  50.6 33.44 180 top
R148  39  [R0603]  13.97 33.33 270 top
R149  0  [R1206]  50.6 31.39 180 top
R150  1K  [R0402]  53.18 30.8 180 top